# Altium PCB testjig-v1.PCBDOC (part 3 of 3)
Units mm, origin at the board's own origin, x right, y up, seen from the top; angles counter-clockwise.
Board outline 204.5 x 173.5 mm, 4 copper layers (L1, L2, L5, L6), stack 1.641 mm thick; 190 components, 128 nets, 1101 pads, 334 vias.
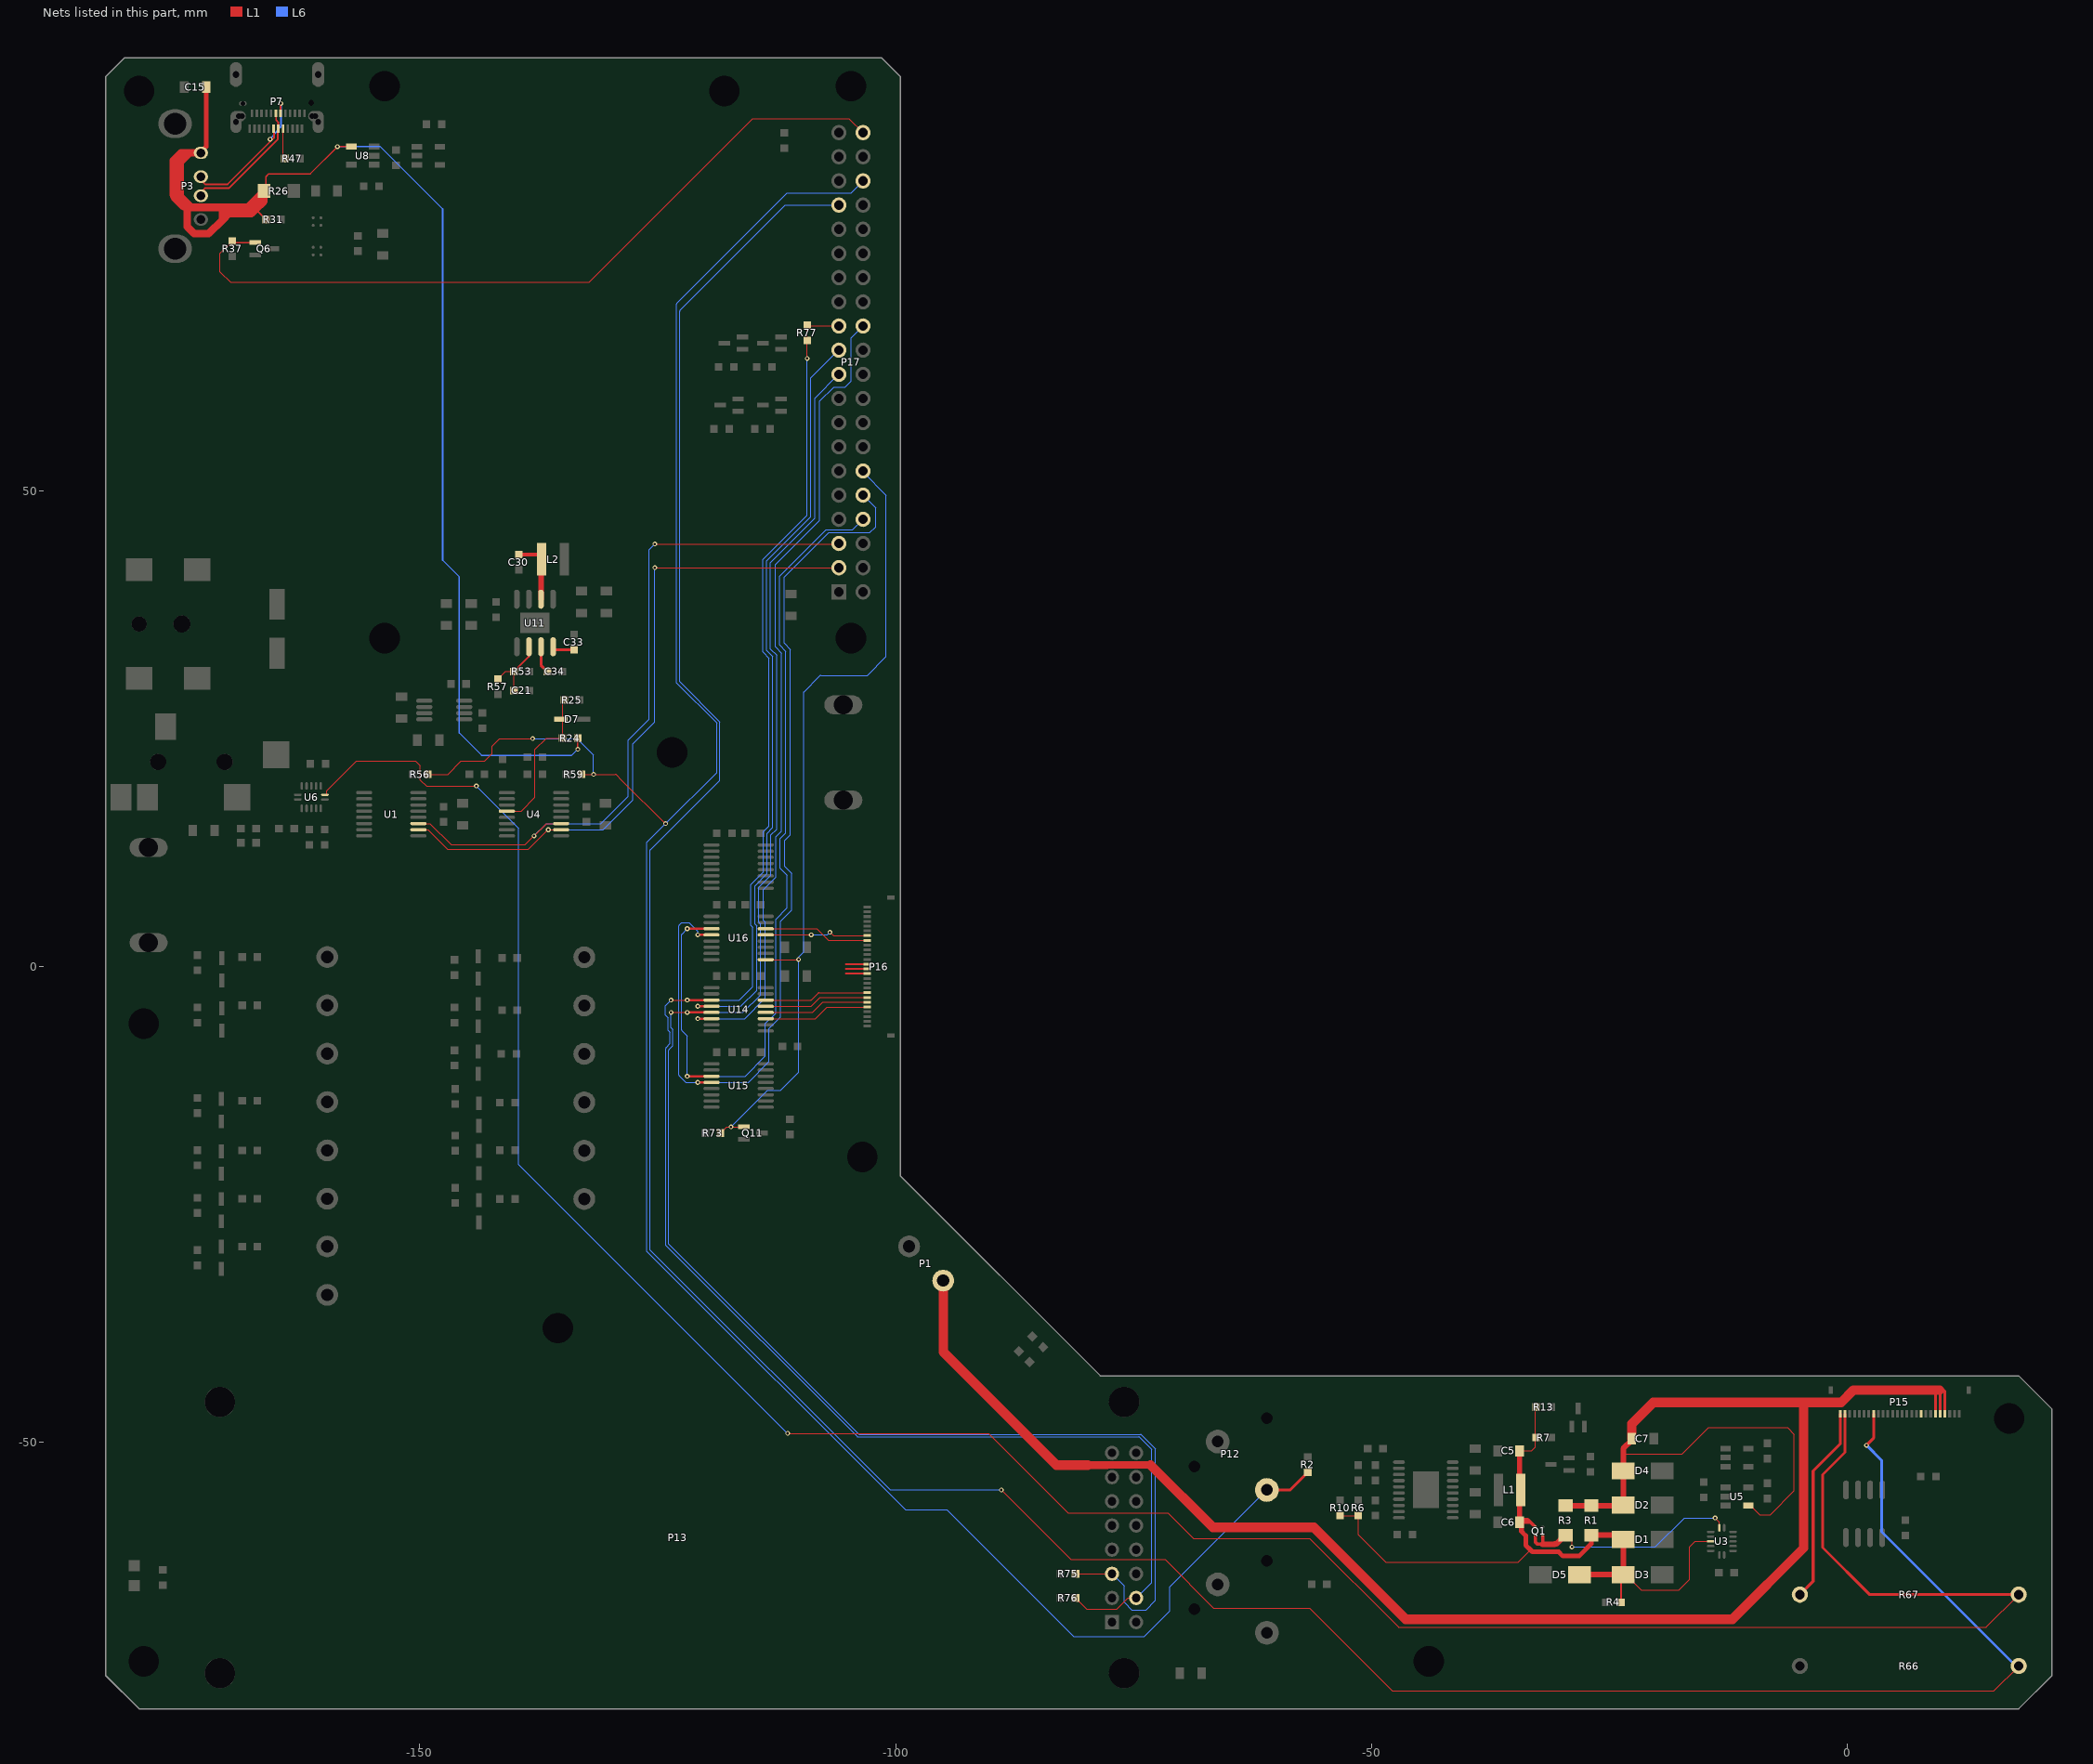
[diagram p5: the nets of this part, all layers, seen from the top]

## Via types
v1: diameter 0.5, hole 0.25, L1 to L6, tented both sides, 328 vias
v2: diameter 0.5, hole 0.25, L1 to L6, 6 vias

## Nets (pads, with @x,y where several pads share a name; then routed paths per layer and width w, separated by ;. In a path a pad name is that pad's centre, name@x,y a point inside that pad or via, vN(x,y) a via of type N, cw(c..) or ccw(c..) an arc to the next point about the centre after c; other vN are vias at no path point) (continued)
RPI_ADCINT: P12.1 P17.36 R2.1 R56.2 R59.2 | length 257.2
  L1 w0.12: R56.2@-149.15,20.2 -147.06,20.2 -145.66,21.6 -143.2,21.6 -142.4,22.4 -142.4,23.15 -141.6,23.95 v1(-138.136,23.95) ; R59.2@-133,20.2 v1(-131.74,20.2) -129.45,20.2 cw(c-129.45,20.08) -129.366,20.166 -128.819,19.619 -124.2,15 v1@-124.191,14.991
  L1 w0.3: P12.1@-61,-55 -58.55,-55 R2.1@-56.7,-53.15
  L6 w0.12: v1(-138.136,23.95) -133.45,23.95 -131.74,22.24 v1(-131.74,20.2) ; -122.995,69.705 ccw(c-122.91,69.621) -123.03,69.621 -123.03,29.805 -118.8,25.575 -118.8,20.4 v1(-124.175,15.025) -126.13,13.07 -126.13,-29.937 -98.983,-57.083 -94.617,-57.083 -81.3,-70.4 -73.9,-70.4 -71.2,-67.7 -71.2,-65.2 P12.1@-61,-55 ; -122.995,69.705 -111.4,81.3 -104.68,81.3 P17.36@-103.43,82.55
RPI_SCL: P17.5 U1.3 U4.3 | length 75.5
  L1 w0.12: U1.3@-150.15,15.025 -148.925,15.025 -146.7,12.8 -138.916,12.8 -136.691,15.025 U4.3@-135.15,15.025 ; v1(-125.3,44.4) -106.02,44.4 P17.5@-105.97,44.45
  L6 w0.12: v1(-138,13.725) -136.7,15.025 -130.975,15.025 -128.1,17.9 -128.1,23.8 -125.9,26 -125.9,43.8 v1(-125.3,44.4)
RPI_SDA: P17.3 U1.2 U4.2 | length 71.6
  L1 w0.12: U1.2@-150.15,14.375 -149.15,14.375 -147.075,12.3 -138.6,12.3 -136.525,14.375 U4.2@-135.15,14.375 ; v1(-125.3,41.91) P17.3@-105.97,41.91
  L6 w0.12: v1(-136.5,14.375) -130.723,14.375 -127.6,17.498 -127.6,23.4 -125.3,25.7 v1(-125.3,41.91)
RPI_URXD: P17.10 U15.4 U16.4 | length 99.7
  L1 w0.25: v1(-120.8,-12.175) U15.4@-119.8,-12.175 ; v1(-120.8,3.325) U16.4@-119.8,3.325
  L6 w0.12: v1(-120.8,3.325) -120.8,3.7 -121.705,4.605 -122.5,4.605 -122.754,4.351 ccw(c-122.669,4.266) -122.789,4.266 -122.789,-11.386 ccw(c-122.669,-11.386) -122.754,-11.471 -122.05,-12.175 v1(-120.8,-12.175) -115.475,-12.175 -113.3,-10 -113.3,-6.5 -112.1,-5.3 -112.1,4.75 -110.9,5.95 -110.9,9.775 -111.65,10.525 -111.65,13.231 -111.05,13.831 -111.05,33.332 -111.7,33.982 -111.7,40.9 -107,45.6 -102.7,45.6 -102.1,46.2 -102.1,48.2 P17.10@-103.43,49.53
RPI_UTXD: P17.8 U15.3 U16.3 | length 93.6
  L1 w0.25: v1(-121.9,-11.525) U15.3@-119.35,-11.525 ; v1(-121.9,3.975) U16.3@-119.35,3.975
  L6 w0.12: v1(-121.9,3.975) -122.465,3.41 ccw(c-122.38,3.325) -122.5,3.325 -122.5,-6.65 ccw(c-122.38,-6.65) -122.465,-6.735 -121.9,-7.3 v1(-121.9,-11.525) -115.825,-11.525 -113.7,-9.4 -113.7,-6 -112.6,-4.9 -112.6,4.957 -111.4,6.157 -111.4,9.568 -112.15,10.318 -112.15,13.439 -111.55,14.039 -111.55,33.125 -112.2,33.775 -112.2,41 -107.3,45.9 -104.52,45.9 P17.8@-103.43,46.99
SPK+: P15.2 R67.2 U6.8 | length 278
  L1 w0.12: U6.8@-159.975,18.05 -159.82,18.05 -159.76,18.11 -159.76,18.49 -156.65,21.6 -150.45,21.6 -149.95,21.1 -149.95,19.619 -149.306,18.975 v1(-144.062,18.975) ; v1(-111.35,-49.05) -90.25,-49.05 -81.9,-57.4 -71.4,-57.4 -68.7,-60.1 -56.5,-60.1 -47.205,-69.395 ccw(c-47.121,-69.31) -47.121,-69.43 14.521,-69.43 ccw(c14.521,-69.31) 14.605,-69.395 R67.2@18,-66
  L1 w0.3: P15.2@-0.25,-47 -0.25,-51.05 -2.6,-53.4 -2.6,-61.05 2.35,-66 R67.2@18,-66
  L6 w0.12: v1(-144.062,18.975) -139.6,14.513 -139.6,-20.8 v1(-111.35,-49.05)
SPK-: P15.1 R67.1 | length 20.8
  L1 w0.3: R67.1@-5,-66 -3.6,-64.6 -3.6,-53 -0.75,-50.15 P15.1@-0.75,-47
SS5.0: C33.1 U11.4 | length 2.4
  L1 w0.3: U11.4@-135.995,33.6 -135.995,33.439 -135.856,33.3 C33.1@-133.8,33.3
SW5.0: C30.1 L2.1 U11.6 | length 7
  L1 w0.4: C30.1@-139.6,43.3 -137.475,43.3 -137.185,43.01 L2.1@-137.185,42.8
  L1 w0.6: U11.6@-137.265,38.6 -137.265,42.72 L2.1@-137.185,42.8
UART_FPGA_SEL: P17.12 Q11.1 R73.1 U16.9 | length 86.5
  L1 w0.12: R73.1@-118.4,-17.5 -117.75,-16.85 v1(-117.3,-16.85) Q11.1@-115.95,-16.85 ; U16.9@-113.65,0.725 -110.225,0.725 v1(-110.2,0.75)
  L6 w0.12: v1(-117.3,-16.85) -113.45,-13 -112.1,-13 -110.2,-11.1 v1(-110.2,0.75) -110.2,1 -109.7,1.5 -109.7,28.75 cw(c-109.58,28.75) -109.665,28.835 -107.935,30.565 cw(c-107.85,30.48) -107.851,30.6 ; -107.85,30.6 -102.969,30.6 -101,32.569 -101,49.53 -103.43,51.96 P17.12@-103.43,52.07
UP5K_CSN: P16.22 U14.11 | length 11.2
  L1 w0.12: U14.11@-113.65,-5.475 -108.426,-5.475 -107.201,-4.25 P16.22@-103,-4.25
UP5K_CSN_3V: P17.24 U14.6 | length 85.3
  L1 w0.25: v1(-120.8,-5.475) U14.6@-119.8,-5.475
  L6 w0.12: v1(-120.8,-5.475) -115.875,-5.475 -113.7,-3.3 -113.7,4.657 -113.9,4.857 -113.9,8.093 -112.6,9.393 -112.6,13.625 -112,14.225 -112,32.938 -112.65,33.588 -112.65,42.243 -108,46.893 -108,59.4 -106.5,60.9 -105.3,60.9 -104.7,61.5 -104.7,66.04 P17.24@-103.43,67.31
UP5K_MISO: P16.20 U14.13 | length 11
  L1 w0.12: U14.13@-113.65,-4.175 -108.875,-4.175 -107.95,-3.25 P16.20@-103,-3.25
UP5K_MISO_3V: P17.21 U14.4 | length 79.4
  L1 w0.25: v1(-120.8,-4.175) U14.4@-119.8,-4.175
  L6 w0.12: v1(-120.8,-4.175) -116.275,-4.175 -114.6,-2.5 -114.6,4.284 -114.8,4.484 -114.8,8.466 -113.5,9.766 -113.5,13.998 -112.9,14.598 -112.9,32.566 -113.55,33.216 -113.55,42.616 -108.9,47.266 -108.9,61.84 P17.21@-105.97,64.77
UP5K_MON0: P16.8 U16.14 | length 11.2
  L1 w0.12: U16.14@-113.65,3.975 -108.3,3.975 -107.075,2.75 P16.8@-103,2.75
UP5K_MON1: P16.7 U16.13 | length 10.9
  L1 w0.12: U16.13@-113.65,3.325 v1(-108.875,3.325) ; v1(-106.9,3.6) -106.55,3.25 P16.7@-103,3.25
  L6 w0.12: v1(-108.875,3.325) -107.175,3.325 v1(-106.9,3.6)
UP5K_MOSI: P16.21 U14.12 | length 11.1
  L1 w0.12: U14.12@-113.65,-4.825 -108.725,-4.825 -107.65,-3.75 P16.21@-103,-3.75
UP5K_MOSI_3V: P13.5 P17.19 R75.2 U14.5 | length 194
  L1 w0.12: v1(-123.6,-4.825) v1(-121.9,-4.825) ; R75.2@-81.1,-63.81 P13.5@-77.27,-63.81
  L1 w0.25: v1(-121.9,-4.825) U14.5@-119.35,-4.825
  L6 w0.12: v1(-123.6,-4.825) -123.6,-6.4 -123.4,-6.6 -123.4,-8.3 -123.805,-8.705 ccw(c-123.72,-8.79) -123.84,-8.79 -123.84,-29.16 -103.854,-49.146 ccw(c-103.769,-49.061) -103.769,-49.181 -74.269,-49.181 cw(c-74.269,-49.301) -74.184,-49.216 -72.7,-50.7 -72.7,-66.6 -73.7,-67.6 -75.2,-67.6 -76,-66.8 -76,-65.08 P13.5@-77.27,-63.81 ; v1(-121.9,-4.825) -116.025,-4.825 -114.2,-3 -114.2,4.45 -114.4,4.65 -114.4,8.3 -113.1,9.6 -113.1,13.832 -112.5,14.432 -112.5,32.731 -113.15,33.381 -113.15,42.45 -108.5,47.1 -108.5,59.7 P17.19@-105.97,62.23
UP5K_SCK: P16.19 U14.14 | length 11
  L1 w0.12: U14.14@-113.65,-3.525 -108.925,-3.525 ccw(c-108.925,-3.405) -108.84,-3.49 -108.135,-2.785 cw(c-108.05,-2.87) -108.051,-2.75 P16.19@-103,-2.75
UP5K_SCK_3V: P13.4 P17.23 R76.2 R77.1 R77.2 U14.3 | length 197.5
  L1 w0.12: v1(-123.6,-3.525) v1(-121.9,-3.525) ; v1(-109.3,63.9) -109.3,67.24 -109.23,67.31 P17.23@-105.97,67.31 ; R76.2@-81.1,-66.35 -79.91,-67.54 -76.782,-67.54 -75.592,-66.35 P13.4@-74.73,-66.35
  L1 w0.25: v1(-121.9,-3.525) U14.3@-119.35,-3.525
  L6 w0.12: v1(-123.6,-3.525) -124.175,-4.1 -124.175,-5.1 -123.9,-5.375 -123.9,-6.7 -123.7,-6.9 -123.7,-8.1 -124.105,-8.505 ccw(c-124.02,-8.59) -124.14,-8.59 -124.14,-29.284 -104.042,-49.383 ccw(c-103.957,-49.298) -103.959,-49.418 -103.776,-49.421 ccw(c-103.769,-49.061) -103.769,-49.421 -74.453,-49.421 cw(c-74.453,-49.541) -74.368,-49.456 ; v1(-121.9,-3.525) -116.425,-3.525 -115,-2.1 -115,4.119 -115.2,4.319 -115.2,8.631 -113.9,9.931 -113.9,14.163 -113.3,14.763 -113.3,32.4 -113.95,33.05 -113.95,42.781 -109.3,47.431 v1@-109.3,63.98 ; P13.4@-74.73,-66.35 -73.112,-64.732 -73.112,-50.712 -74.368,-49.456
USBC_CC1: P7.A5 R47.2 | length 3
  L1 w0.12: P7.A5@-164.375,87.8 -164.375,85.1 R47.2@-164.175,84.9
USBC_N: P3.2 P7.A7 P7.B7 | length 16.5
  L1 w0.18: P3.2@-173,83 -172.686,82.686 -172.686,82.318 -172.558,82.19 -170.2,82.19 -165.315,87.075 -165.315,87.585 -165.33,87.6 -165.33,88.005 P7.A7@-165.375,88.05 ; P7.B7@-164.625,89.65 -164.625,90.66 v1(-164.6,90.685)
  L6 w0.18: v1(-165.725,86.925) -164.643,88.199 ccw(c-164.78,88.316) -164.6,88.316 v1(-164.6,90.685)
USBC_P: P3.3 P7.A6 P7.B6 | length 13.6
  L1 w0.18: P3.3@-173,81 -172.686,81.314 -172.686,81.682 -172.558,81.81 -170.043,81.81 -164.935,86.918 -164.935,87.585 -164.92,87.6 -164.92,88.005 P7.A6@-164.875,88.05 -164.875,88.725 -165.1,88.95 -165.1,89.625 P7.B6@-165.125,89.65
VBAT_DUT_ISENSE: Q1.2 Q1.3 R3.1 U3.8 | length 24.6
  L1 w0.12: R3.1@-29.6,-59.75 -29.54,-59.75 -28.95,-60.34 v1(-28.95,-61) ; v1(-13.9,-57.938) -13.45,-58.388 U3.8@-13.45,-58.975
  L1 w0.35: Q1.3@-32.8,-59.7 -32.8,-60.35 ccw(c-32.45,-60.35) -32.45,-60.7 -32,-60.7 Q1.2@-32,-59.7
  L1 w0.6: -32,-60.7 -30.849,-60.7 ccw(c-30.849,-60.1) -30.425,-60.525 -30.041,-60.141 ccw(c-30.467,-59.718) -30.004,-60.1 -30.05,-60.1 R3.1@-29.6,-59.75
  L6 w0.12: v1(-28.95,-61) -20.2,-61 -17.138,-57.938 v1(-13.9,-57.938)
VBAT_SIM: C5.1 C6.1 D1.2 D3.1 D5.1 L1.2 Q1.4 R1.1 R4.1 R6.2 R7.1 R10.2 R13.1 U3.11 | length 81
  L1 w0.12: R10.2@-53.3,-57.7 R6.2@-51.4,-57.7 -51.4,-59.7 -48.5,-62.6 -34.6,-62.6 -33.3,-61.3 ; C5.1@-34.45,-50.9 -33.2,-50.9 -32.8,-50.5 -32.8,-46.4 R13.1@-32.7,-46.3 ; -33.05,-58.85 -33.05,-58.65 ; D3.1@-23.55,-63.9 -23.25,-63.9 -21.65,-65.5 -17.7,-65.5 -16.6,-64.4 -16.6,-61 -16,-60.4 U3.11@-14.375,-60.4
  L1 w0.2: R4.1@-23.8,-66.8 -23.8,-64.15 D3.1@-23.55,-63.9
  L1 w0.35: Q1.4@-32.8,-58.9 -33.05,-58.65 -33.3,-58.4 ; -33.3,-58.4 -33.375,-58.325 -33.6,-58.1 -34.175,-58.1 -34.45,-58.375 C6.1@-34.45,-58.4 -33.3,-58.4
  L1 w0.5: C6.1@-34.45,-58.4 -34.25,-58.6 -34.25,-59.35 -33.8,-59.8 -33.8,-60.8 -33.3,-61.3 -33.1,-61.5 -30.35,-61.5 -29.9,-61.95 -28.2,-61.95 -26.9,-60.65 R1.1@-26.9,-59.75 ; C6.1@-34.45,-58.375 C5.1@-34.45,-50.9
  L1 w0.6: D5.1@-28.15,-63.9 D3.1@-23.55,-63.9 D1.2@-23.55,-60.2 -24,-59.75 R1.1@-26.9,-59.75
VBAT_SRC_DUT: C7.2 D2.1 D4.2 P1.1 P15.21 P15.22 P15.23 R1.2 R3.2 U5.4 | length 216.4
  L1 w0.12: -23.55,-51.229 -17.379,-51.229 -14.6,-48.45 -6.3,-48.45 -5.6,-49.15 -5.6,-55.1 -8.1,-57.6 -9.225,-57.6 -10.175,-56.65 U5.4@-10.4,-56.65
  L1 w0.3: P15.21@9.25,-47 9.25,-44.5 ; P15.22@9.75,-47 9.75,-44.55 9.7,-44.5 10.074,-44.5 10.25,-44.676 P15.23@10.25,-47
  L1 w0.6: R3.2@-29.6,-56.65 R1.2@-26.9,-56.65 -23.6,-56.65 D2.1@-23.55,-56.6 D4.2@-23.55,-53 -23.55,-51.229 -23.55,-50.65 -22.65,-49.75 C7.2@-22.65,-49.6
  L1 w0.8: -79.8,-52.4 -77.816,-52.4 -77.796,-52.38 -73.22,-52.38
  L1 w1: P1.1@-95,-33 -95,-40.5 -83.1,-52.4 -79.8,-52.4 ; -73.22,-52.38 -66.662,-58.938 -59.5,-58.938 -56.062,-58.938 -46.4,-68.6 -12.1,-68.6 -4.6,-61.1 -4.6,-45.9 -4.5,-45.8 ; C7.2@-22.65,-49.6 -22.65,-48.05 -20.4,-45.8 -4.5,-45.8 ; 9.7,-44.5 9.25,-44.5 0.65,-44.5 -0.65,-45.8 -4.5,-45.8
VBUS_DUT: C15.2 P3.1 R24.1 R26.2 R31.1 U8.4 | length 143.5
  L1 w0.15: R26.2@-166.175,81.675 -166.175,83 -165.875,83.3 -161.5,83.3 v1(-158.65,86.15) U8.4@-157.2,86.15 ; R24.1@-133.4,24 v1(-133.4,22.838) v1@-133.362,22.8
  L1 w0.2: -167.313,79.487 -167.162,79.487 R31.1@-166.175,78.5 ; R26.2@-166.35,81.5 R26.2@-166.175,81.675
  L1 w0.5: P3.1@-173,85.5 -173,85.616 -172.45,86.166 C15.2@-172.45,92.4
  L1 w0.8: P3.1@-173,85.5 -174.2,85.5 ; -174.44,79.772 cw(c-174.44,80.572) -175.006,80.006 -175.666,80.666 cw(c-175.1,81.231) -175.9,81.231 -175.9,84.7 -175.1,85.5 -174.2,85.5 ; -174.44,79.772 -174,79.772 ; -174.44,79.772 -174.44,77.74 -173.7,77 -172.2,77 -170.7,78.5 ; -174.2,85.5 -175.2,84.5 -175.2,80.972 -174,79.772 ; -174,79.772 -170.7,79.772 ; -170.7,78.5 -170.7,79.772 ; -170.7,78.5 -170.1,79.1 -167.7,79.1 -167.313,79.487 -166.4,80.4 R26.2@-166.4,81.35 ; -170.7,79.772 -168.078,79.772 -166.7,81.15 -166.6,81.15 R26.2@-166.4,81.35 ; R26.2@-166.4,81.35 -166.35,81.4 R26.2@-166.35,81.5 -166.4,81.45 R26.2@-166.4,81.35
  L6 w0.15: v1(-158.65,86.15) -154.15,86.15 -147.6,79.6 -147.6,42.7 -145.85,40.95 -145.85,24.55 -143.5,22.2 -134.038,22.2 v1(-133.4,22.838)
VBUS_EN: P17.40 Q6.1 R37.2 | length 82
  L1 w0.12: R37.2@-169.7,76.23 -171,74.93 -171,73 -169.9,71.9 -132.2,71.9 -115,89.1 -104.9,89.1 P17.40@-103.43,87.63
  L1 w0.15: R37.2@-169.7,76.23 -169.55,76.08 Q6.1@-167.3,76.08
VBUS_SENSE_ADC: D7.2 R24.2 R25.1 U4.12 | length 16.1
  L1 w0.12: U4.12@-140.85,16.325 -139.35,16.325 -137.9,17.775 -137.9,22.8 -136.7,24 R24.2@-135,24 -135,27.8 R25.1@-134.8,28
VBUS_SWITCHED: P16.13 P16.14 P16.15 | length 6.8
  L1 w0.2: -105.25,-0.75 P16.15@-103,-0.75 ; -105.25,-0.25 P16.14@-103,-0.25 ; -105.25,0.25 P16.13@-103,0.25
VFB5.0: C21.2 R53.1 R57.2 U11.2 | length 7.3
  L1 w0.12: R57.2@-141.8,30.2 -141,31 R53.1@-140.1,31 C21.2@-140.1,29
  L1 w0.2: R53.1@-140.1,31 -138.535,32.565 U11.2@-138.535,33.6
VIBE_DRIVE: P15.8 P17.33 R66.2 | length 322.5
  L1 w0.12: v1(-88.9,-55) -81.6,-62.3 -71.7,-62.3 -66.6,-67.4 -56.5,-67.4 -47.8,-76.1 15.4,-76.1 R66.2@18,-73.5
  L1 w0.3: v1(2,-50.3) 2.75,-49.55 P15.8@2.75,-47
  L6 w0.12: -118.47,19.641 cw(c-118.59,19.642) -118.505,19.557 -125.765,12.297 ccw(c-125.68,12.213) -125.8,12.214 -125.8,-29.8 -100.6,-55 v1(-88.9,-55) ; -118.47,19.642 -118.47,25.712 -122.7,29.941 -122.7,68.85 cw(c-122.58,68.85) -122.665,68.935 -111.59,80.01 P17.33@-105.97,80.01
  L6 w0.3: v1(2,-50.3) 3.6,-51.9 3.6,-59.4 17.7,-73.5 R66.2@18,-73.5
VREG5.0: C34.1 U11.3 | length 2.9
  L1 w0.3: U11.3@-137.265,33.6 -137.265,31.665 C34.1@-136.6,31
VSYS_U: P15.18
pads on no net: J1.0 J1.2 JP1.0 P7.A2 P7.A3 P7.A4 P7.A8 P7.A9 P7.A10 P7.A11 P7.B2 P7.B3 P7.B4 P7.B5 P7.B8 P7.B9 P7.B10 P7.B11 P7.P P12.0 P13.0 P13.3 P13.6 P14.0 P15.0 P15.12 P16.0 P16.12 P16.17 U1.1 U3.1 U3.2 U3.3 U3.4 U4.1 U4.11 U6.11 U10.5 U13.3 U15.11 U15.12 U16.11 U16.12

## Polygon pours and split planes (outlines as drawn)
P5.0V on L1 "P5.0V_L01_P005" (solid, remove dead copper, pour order 5): -148.472,31.684 -148.532,31.745 -155.755,31.745 -157.2,30.3 -157.2,22.669 -156.531,22 -149.763,22 -148.472,23.291
P3.3VA on L1 "P3.3VA_L01_P004" (solid, remove dead copper, pour order 4): -150.417,32 -143,32 -143,22.39 -145.19,20.2 -150.417,20.2
GND on L1 "GND_L01_P003" (solid, remove dead copper, pour order 3): -149.075,39.5 -151.275,41.7 -164.4,41.7 -167.8,38.3 -167.8,31.2 -166,29.4 -152.9,29.4 -151.2,31.1 -149.2,31.1
GND on L1 "GND_L01_P002" (solid, remove dead copper, pour order 2): -34.7,-48.7 -34.7,-43 -72.4,-43 -72.4,-50.9 -72.5,-51 -61.402,-51 -58.352,-54.05 -54,-54.05 -52.3,-52.35 -52.3,-50.2 -50.8,-48.7 -48.6,-48.7 -45.857,-51.443 -45.7,-51.443
GND on L1 "GND_L01_P001" (solid, remove dead copper, pour order 1): -150.2,39.5 -150.2,32.1 -149.2,31.1 -127.3,31.1 -126.4,32 -126.4,38.1 -127.8,39.5 -149.7,39.5 -150.2,39
GND on L1 "GND_L01_P000" (solid, remove dead copper, pour order 0): -45.8,-47.2 -44.6,-46 -35.6,-46 -34.7,-46.9 -34.7,-61.2 -35.7,-62.2 -44.9,-62.2 -45.8,-61.3
GND on L2 (split plane): -99.801,93.375 -99.801,-22 -99.796,-22.059 -99.779,-22.115 -99.751,-22.167 -99.713,-22.213 -78.713,-43.213 -78.667,-43.251 -78.615,-43.279 -78.559,-43.296 -78.5,-43.301 17.875,-43.301 21.199,-46.625 21.199,-74.375 17.875,-77.699 -179.375,-77.699 -182.699,-74.375 -182.699,93.375 -180.875,95.199 -101.625,95.199
P3.3VA on L5 (split plane): -99.801,93.375 -99.801,76.302 -143.858,76.302 -146.928,79.372 -146.961,79.394 -147,79.402 -160.3,79.402 -160.339,79.394 -160.372,79.372 -162.272,77.472 -162.294,77.439 -162.302,77.4 -162.302,58.2 -162.294,58.161 -162.272,58.128 -149.602,45.458 -149.602,33.842 -154.672,28.772 -154.694,28.739 -154.702,28.7 -154.702,27.9 -154.694,27.861 -154.672,27.828 -153.972,27.128 -153.939,27.106 -153.9,27.098 -145.242,27.098 -143.672,25.528 -143.639,25.506 -143.6,25.498 -132.542,25.498 -129.302,22.258 -129.302,-47.9 -129.294,-47.939 -129.272,-47.972 -106.272,-70.972 -106.239,-70.994 -106.2,-71.002 -66,-71.002 -65.961,-70.994 -65.928,-70.972 -63.058,-68.102 -9.5,-68.102 -9.461,-68.094 -9.428,-68.072 -9.406,-68.039 -9.398,-68 -9.398,-56.9 -9.406,-56.861 -9.428,-56.828 -10.898,-55.358 -10.898,-43.301 17.875,-43.301 21.199,-46.625 21.199,-74.375 17.875,-77.699 -179.375,-77.699 -182.699,-74.375 -182.699,93.375 -180.875,95.199 -101.625,95.199
P5.0V on L5 (split plane): -143.972,76.128 -143.939,76.106 -143.9,76.098 -99.801,76.098 -99.801,-22 -99.796,-22.059 -99.779,-22.115 -99.751,-22.167 -99.713,-22.213 -78.713,-43.213 -78.667,-43.251 -78.615,-43.279 -78.559,-43.296 -78.5,-43.301 -11.102,-43.301 -11.102,-55.4 -11.094,-55.439 -11.072,-55.472 -9.602,-56.942 -9.602,-67.898 -63.1,-67.898 -63.139,-67.906 -63.172,-67.928 -66.042,-70.798 -106.158,-70.798 -129.098,-47.858 -129.098,22.3 -129.106,22.339 -129.128,22.372 -132.428,25.672 -132.461,25.694 -132.5,25.702 -143.558,25.702 -145.128,27.272 -145.161,27.294 -145.2,27.302 -153.858,27.302 -154.498,27.942 -154.498,28.658 -149.428,33.728 -149.406,33.761 -149.398,33.8 -149.398,45.5 -149.406,45.539 -149.428,45.572 -162.098,58.242 -162.098,77.358 -160.258,79.198 -147.042,79.198
P3.3V on L5 (split plane): -110.002,65.458 -110.002,62.8 -109.994,62.761 -109.972,62.728 -108.272,61.028 -108.239,61.006 -108.2,60.998 -105.042,60.998 -104.802,60.758 -104.802,38.442 -105.442,37.802 -106.7,37.802 -106.739,37.794 -106.772,37.772 -109.972,34.572 -109.994,34.539 -110.002,34.5 -110.002,22.042 -115.172,16.872 -115.194,16.839 -115.202,16.8 -115.202,16.5 -115.202,15.75 -115.202,14.7 -115.194,14.661 -115.172,14.628 -113.772,13.228 -113.739,13.206 -113.7,13.198 -111.042,13.198 -110.502,12.658 -110.502,8.242 -116.572,2.172 -116.594,2.139 -116.602,2.1 -116.602,-4.6 -116.594,-4.639 -116.572,-4.672 -115.202,-6.042 -115.202,-8.6 -115.194,-8.639 -115.172,-8.672 -113.772,-10.072 -113.739,-10.094 -113.7,-10.102 -108.702,-10.102 -108.702,-17.558 -111.842,-20.698 -121.358,-20.698 -123.398,-18.658 -123.398,16.158 -118.928,20.628 -118.906,20.661 -118.898,20.7 -118.898,50.9 -118.906,50.939 -118.928,50.972 -120.698,52.742 -120.698,66.458 -119.358,67.798 -112.342,67.798
P1.8V on L5 (split plane): -103.602,-1.542 -103.602,-2.658 -104.042,-3.098 -109.458,-3.098 -110.528,-2.028 -110.561,-2.006 -110.6,-1.998 -113.358,-1.998 -114.098,-1.258 -114.098,-0.317 -112.983,0.798 -105.942,0.798
P1.8V_T on L5 (split plane): -107.702,13.258 -107.702,6.075 -107.694,6.036 -107.672,6.003 -105.497,3.828 -105.464,3.806 -105.425,3.798 -104.242,3.798 -103.302,2.858 -103.302,0.892 -104.525,-0.331 -105.828,0.972 -105.861,0.994 -105.9,1.002 -113.025,1.002 -113.064,0.994 -113.097,0.972 -114.272,-0.203 -114.294,-0.236 -114.302,-0.275 -114.302,-1.3 -114.294,-1.339 -114.272,-1.372 -113.472,-2.172 -113.439,-2.194 -113.4,-2.202 -110.642,-2.202 -109.572,-3.272 -109.539,-3.294 -109.5,-3.302 -108.702,-3.302 -108.702,-9.898 -113.658,-9.898 -114.998,-8.558 -114.998,-6 -115.006,-5.961 -115.028,-5.928 -116.398,-4.558 -116.398,2.058 -110.328,8.128 -110.306,8.161 -110.298,8.2 -110.298,12.7 -110.306,12.739 -110.328,12.772 -110.928,13.372 -110.961,13.394 -111,13.402 -113.658,13.402 -114.998,14.742 -114.998,16.398 -110.842,16.398

## Keep-outs
KeepOutLayer:
  lines w0.1: -183,-74.5 -179.5,-78 18,-78 21.5,-74.5 21.5,-46.5 18,-43 -78.5,-43 -99.5,-22 -99.5,93.5 -101.6,95.6 -180.9,95.6 -183,93.5 -183,-74.5

## Other copper
L1:
  rectangle net VBUS_SWITCHED: -106.1,-1 -105,0.5
  rectangle net NetQ4_2: -163.25,74.5 -161.8,78.9
L5 (plane layer: these items are gaps in the copper):
  lines w0.2: -115.1,15.75 -115.1,16.5 -110.8,16.5 -107.6,13.3 -107.6,6.075 -105.425,3.9 -104.2,3.9 -103.2,2.9 -103.2,0.85 -104.5,-0.45 ; -108.6,-10 -113.7,-10 -115.1,-8.6 -115.1,-6 -116.5,-4.6 -116.5,2.1 -110.4,8.2 -110.4,12.7 -111,13.3 -113.7,13.3 -115.1,14.7 -115.1,16.8 -109.9,22 -109.9,34.5 -106.7,37.7 -105.4,37.7 -104.7,38.4 -104.7,60.8 -105,61.1 -108.2,61.1 -109.9,62.8 -109.9,65.5 -112.3,67.9 -119.4,67.9 -120.8,66.5 -120.8,52.7 -119,50.9 -119,20.7 -123.5,16.2 -123.5,-18.7 -121.4,-20.8 -111.8,-20.8 -108.6,-17.6 -108.6,-3.2 ; -99.5,76.2 -143.9,76.2 -147,79.3 -160.3,79.3 -162.2,77.4 -162.2,58.2 -149.5,45.5 -149.5,33.8 -154.6,28.7 -154.6,27.9 -153.9,27.2 -145.2,27.2 -143.6,25.6 -132.5,25.6 -129.2,22.3 -129.2,-47.9 -106.2,-70.9 -66,-70.9 -63.1,-68 -9.5,-68 -9.5,-56.9 -11,-55.4 -11,-43.1 ; -114.2,-1.3 -114.2,-0.275 -113.025,0.9 -112.4,0.9 -105.9,0.9 -103.5,-1.5 -103.5,-2.7 -104,-3.2 -109.5,-3.2 -110.6,-2.1 -113.4,-2.1 -114.2,-1.3

## Silkscreen, mask and mechanical layers (free items; w line width, h text height)
TopOverlay:
  region: -171.4,68.6 -171.4,46.7 -165.4,46.7 -165.4,68.6
  text "To Rpi" at -168.088,85.856 h1.5
  text "To DUT USBC" at -179.157,69.439 h1.5
  text "S/N" at -173.368,68.3 h2 r270
  text "term" at -108.196,66 h0.7 r90
  text "+12V@2A (center positive)" at -181.3,44.216 h1.5
  text "Audio test cable" at -173.427,26.014 h1.5
  text "Audio test cable / tie-down points" at -111.746,19.304 h1.5
  text "Audio test cable / tie-down points" at -182.146,4.404 h1.5
  text "1.8V / U" at -122.565,-0.632 h1.5 r90
  text "1.5V / VAES" at -149.641,-1.38 h1.5 r90
  text "3.3V" at -149.641,-5.2 h1.5 r90
  text "0.95V" at -122.541,-5.712 h1.5 r90
  text "To DUT P12F / (debug)" at -103.41,-6.863 h1.5 r90
  text "GND" at -150.749,-10.497 h1.5 r90
  text "1.8V / SBY" at -122.541,-10.827 h1.5 r90
  text "1.8VT / T" at -122.589,-15.887 h1.5 r90
  text "3.3VA / AUDIO" at -149.641,-16.247 h1.5 r90
  text "2.5V / EC" at -122.541,-20.606 h1.5 r90
  text "<21V / VBL" at -149.702,-21.059 h1.5 r90
  text "1.2V / EC" at -122.564,-25.767 h1.5 r90
  text "<28V / VAVA" at -149.689,-26.144 h1.5 r90
  text "5V / LCD" at -149.641,-31.144 h1.5 r90
  text "GND" at -104.625,-34.32 h1.5 r315
  text "GND" at -149.641,-35.847 h1.5 r90
  text "Precursor Tester v1a /  / bunnie  02/21" at -128.2,-36.105 h2
  text "VBAT" at -101.57,-37.376 h1.5 r315
  text "To DUT P11F / (internal)" at 2.008,-51.305 h1.5
  text "FUNC" at -58.465,-55.551 h1.5
  text "term" at -82.5,-65.768 h0.7
  text "term" at -82.5,-67.404 h0.7
  text "CERN OHL L" at -157.225,-72.775 h1.8
  text "START" at -65.141,-74.986 h2.5
Mechanical1:
  lines w0.1: -161,63.2 -146.5,63.2 ; -157,55.7 -157,70.7 ; -98.5,42 -98.5,105 ; -68.5,105.5 -68.5,-34.5 -9,-34.5 -9,105.5 ; 21,38 21,104 ; -183,-74.5 -183,93.5 -181,95.5 -101.5,95.5 -99.5,93.5 -99.5,-22 -78.5,-43 18,-43 21.5,-46.5 21.5,-74.5 18,-78 -179.5,-78 -183,-74.5
Mechanical2:
  drawing of 620 lines, arcs and shapes, not listed
  text "3.3V" at -21.1,26 h0.5 r270
  text "VBL" at -37.2,17.15 h0.5 r270
  text "V_AES" at -42.783,7 h0.5 r270
  text "5.0V" at -29.7,4 h0.5 r270
  text "VAVA" at -37.7,2 h0.5 r270
  text "0.95V" at -61.783,-9 h0.5 r270
  text "3.3VA" at -63.7,-12 h0.5 r270
  text "1.8V" at -29.7,-13.5 h0.5 r270
  text "1.8V_T" at -61.783,-14.5 h0.5 r270
  text "2.5V" at -23.7,-15 h0.5 r270
  text "1.2V" at -16.7,-15 h0.5 r270
  text "1.8V_SBY" at -40.783,-18 h0.5 r270
Mechanical3:
  drawing of 295 lines, arcs and shapes, not listed
  text "Layer" at 80.424,0.368 h1.52
  text "Name" at 90.836,0.368 h1.52
  text "Material" at 112.928,0.368 h1.52
  text "Thickness" at 134.766,0.368 h1.52
  text "Constant" at 151.272,0.368 h1.52
  text "Board Layer Stack" at 165.746,0.368 h1.52
  text "TopOverlay" at 90.836,-2.68 h1.52
  text "TopSolder" at 90.836,-5.728 h1.52
  text "Solder Resist" at 112.928,-5.728 h1.52
  text "0.010mm" at 134.766,-5.728 h1.52
  text "3.5" at 151.272,-5.728 h1.52
  text "1" at 80.424,-8.776 h1.52
  text "L1" at 90.836,-8.776 h1.52
  text "0.045mm" at 134.766,-8.776 h1.52
  text "Dielectric1" at 90.836,-11.824 h1.52
  text "FR-4" at 112.928,-11.824 h1.52
  text "0.090mm" at 134.766,-11.824 h1.52
  text "4.3" at 151.272,-11.824 h1.52
  text "2" at 80.424,-14.872 h1.52
  text "L2" at 90.836,-14.872 h1.52
  text "0.036mm" at 134.766,-14.872 h1.52
  text "Dielectric4" at 90.836,-17.92 h1.52
  text "FR-4" at 112.928,-17.92 h1.52
  text "1.300mm" at 134.766,-17.92 h1.52
  text "4.3" at 151.272,-17.92 h1.52
  text "3" at 80.424,-20.968 h1.52
  text "L5" at 90.836,-20.968 h1.52
  text "0.036mm" at 134.766,-20.968 h1.52
  text "Dielectric5" at 90.836,-24.016 h1.52
  text "FR-4" at 112.928,-24.016 h1.52
  text "0.090mm" at 134.766,-24.016 h1.52
  text "4.2" at 151.272,-24.016 h1.52
  text "4" at 80.424,-27.064 h1.52
  text "L6" at 90.836,-27.064 h1.52
  text "0.045mm" at 134.766,-27.064 h1.52
  text "BottomSolder" at 90.836,-30.112 h1.52
  text "Solder Resist" at 112.928,-30.112 h1.52
  text "0.010mm" at 134.766,-30.112 h1.52
  text "3.5" at 151.272,-30.112 h1.52
  text "BottomOverlay" at 90.836,-33.16 h1.52
  text "Total board thickness:" at 80.424,-36.208 h1.52
  text "1.661mm" at 134.766,-36.208 h1.52
Top Assembly:
  lines w0.2: -157.1,34.1 ccw(c-154.1,34.1) -154.1,31.1 -104.3,31.1 ccw(c-104.3,34.1) -101.3,34.1 -101.3,112.9 ccw(c-104.3,112.9) -104.3,115.9 -154.1,115.9 ccw(c-154.1,112.9) -157.1,112.9 -157.1,34.1
DrillDrawing:
  text ".LEGEND" at 23.25,20.552 h1
  text "Drilling Details." at 23.25,18.723 h1

## Text inside footprints (layer, text, board x,y; h text height)
P13: TopOverlay "16" at -75.238,-47.982 h1.27 r270; TopOverlay "15" at -77.778,-47.959 h1.27 r270; TopOverlay "2" at -75.238,-70.35 h1.27 r270; TopOverlay "1" at -77.778,-70.35 h1.27 r270
P17: TopOverlay "1" at -105.33,36.97 h1.27 r90